# KiCad board CA80.kicad_pcb (continued)
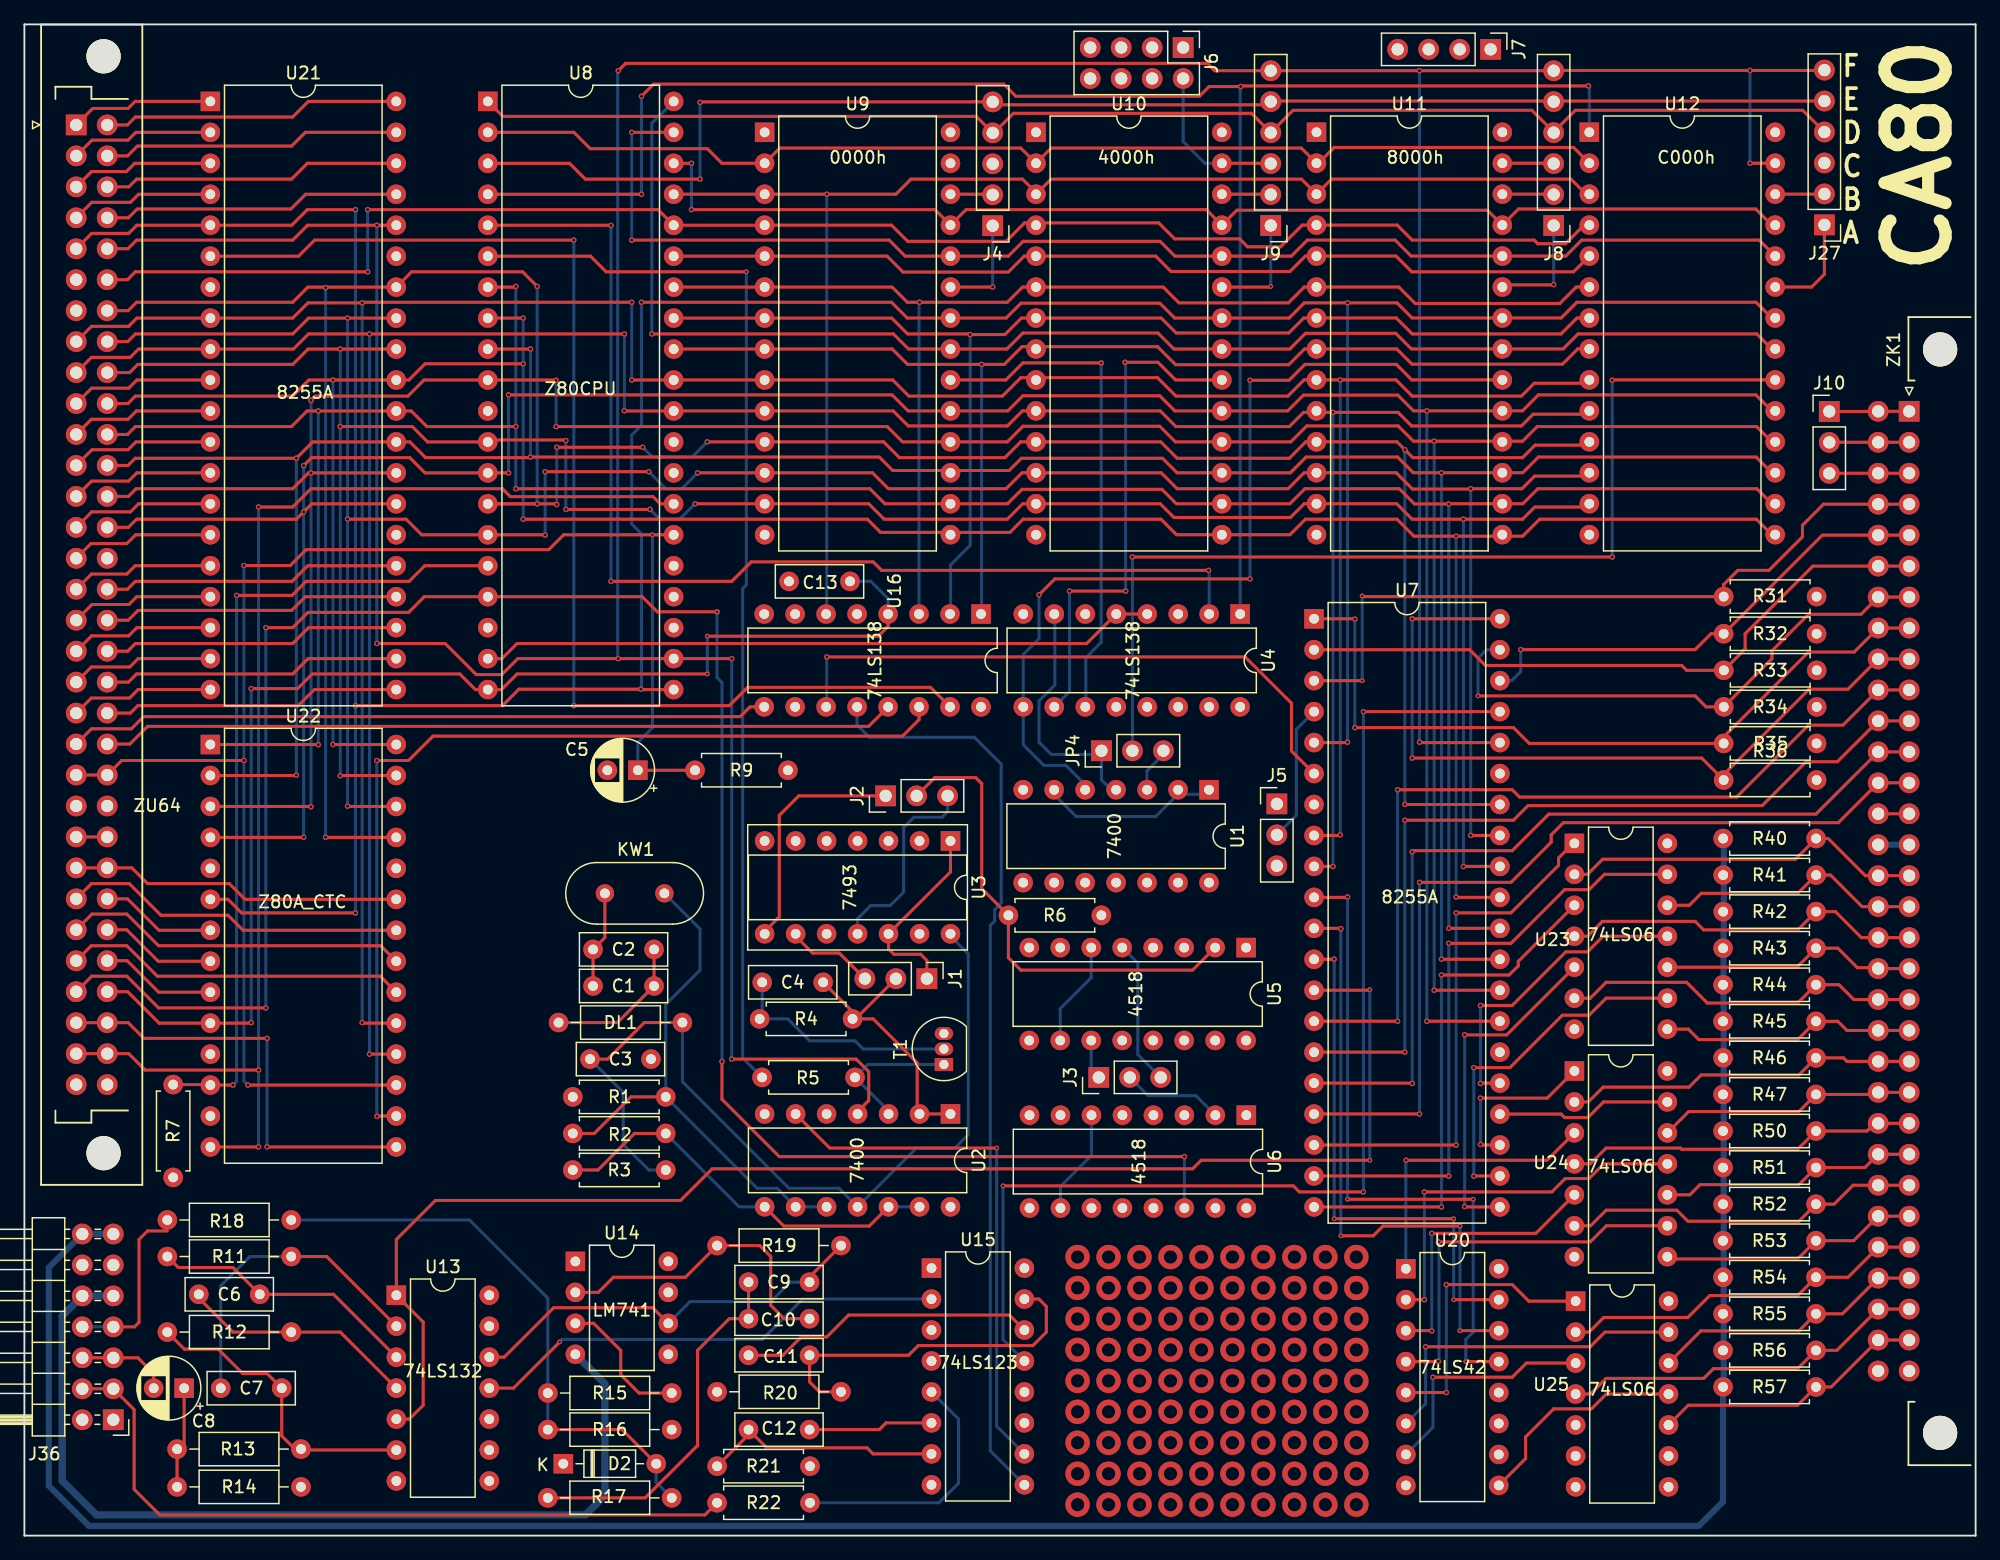
[diagram p0: board, top side]
## Routing (per net, layer and track width the routed paths; a pad name or vN(x,y) marks a point on that pad's centre or on a via; arc(x,y) is an arc through that point) (continued)
Net-(U20-2): length 23.1
  Top w0.25: U20.3 115.38,16.82 v2(115.4,16.8) ; U24.5 123.94,24.8 v2(115.4,24.8)
  Bottom w0.25: v2(115.4,16.8) v2(115.4,24.8)
Net-(U20-3): length 31.8
  Top w0.25: v2(115.95,14.3) 115.93,14.28 U20.4 ; U24.9 129.72,25.43 128.4,24.1 v2(115.95,24.1)
  Bottom w0.25: v2(115.95,14.3) 116,14.35 116,24.05 v2(115.95,24.1)
Net-(U20-4): length 23.3
  Top w0.25: v2(116.6,11.74) U20.5 ; U25.1 123.36,19.24 122,20.6 v2(116.6,20.6)
  Bottom w0.25: v2(116.6,20.6) v2(116.6,11.74)
Net-(U20-5): length 27.4
  Top w0.25: v2(114.9,15.5) 128.4,15.5 129.6,16.7 U25.13
  Bottom w0.25: U20.6 114.9,10.82 v2(114.9,15.5)
Net-(U20-6): length 19.4
  Top w0.25: U25.3 123.16,14.16 122,13 v2(115.5,13)
  Bottom w0.25: v2(115.5,13) 115.5,8.88 U20.7
Net-(U20-7): length 18.1
  Top w0.25: U25.11 129.72,11.62 128.5,10.4 125.4,10.4 123.1,8.1 123.1,6.32 U20.9
Net-(ZK1-14A): length 2.5
  Top w0.25: ZK1.B14 ZK1.A14
Net-(ZK1-16A): length 29.9
  Top w0.25: ZK1.A16 ZK1.B16 150.96,54.15 147.91,57.2 R40.1 145.22,55.5 129.42,55.5 128.18,54.26 U23.2
Net-(ZK1-17A): length 21.9
  Top w0.25: ZK1.A17 ZK1.B17 150.69,51.61 148.1,54.2 R41.1 145.42,52.7 137.5,52.7 136.52,51.72 U23.12
Net-(ZK1-18A): length 30.3
  Top w0.25: U23.4 128.18,49.18 129.4,50.4 137,50.4 137.7,49.7 145.42,49.7 R42.1 148.5,51.2 150.63,49.07 ZK1.B18 ; ZK1.A18 ZK1.B18 ; ZK1.B18 152.01,49.59
Net-(ZK1-19A): length 23.7
  Top w0.25: ZK1.B19 ZK1.A19 ZK1.B19 ; ZK1.B19 151.94,46.6 150.3,46.6 148.7,48.2 R43.1 145.35,46.64 U23.10
Net-(ZK1-20A): length 29.8
  Top w0.25: ZK1.B20 150.01,43.99 148.8,45.2 R44.1 145.41,43.7 138,43.7 136.3,45.4 129.7,45.4 128.4,44.1 U23.6 ; ZK1.A20 152.06,43.99
Net-(ZK1-21A): length 21.1
  Top w0.25: ZK1.A21 149.45,41.45 148.7,42.2 R45.1 145.41,40.7 137.3,40.7 136.44,41.56 U23.8
Net-(ZK1-22A): length 29.1
  Top w0.25: U24.2 128.24,35.59 129.46,36.8 136.5,36.8 137.5,37.8 145.51,37.8 R46.1 149.16,39.2 149.45,38.91 ZK1.A22
Net-(ZK1-23A): length 21.2
  Top w0.25: U24.12 136.47,34.8 145.51,34.8 R47.1 151.84,36.2 ZK1.B23 ZK1.A23
Net-(ZK1-24A): length 28.9
  Top w0.25: ZK1.A24 ZK1.B24 151.73,33.83 151.1,33.2 R50.1 145.41,31.7 135.9,31.7 135.8,31.8 129.7,31.8 128.41,30.5 U24.4
Net-(ZK1-25A): length 21.2
  Top w0.25: U24.10 136.56,27.96 137.4,28.8 145.51,28.8 R51.1 150.92,30.2 ZK1.B25 ZK1.A25
Net-(ZK1-26A): length 29.6
  Top w0.25: ZK1.A26 ZK1.B26 149.95,28.75 148.4,27.2 R52.1 145.51,25.8 136.4,25.8 135.5,26.7 129.7,26.7 128.43,25.43 U24.6
Net-(ZK1-27A): length 21.4
  Top w0.25: ZK1.A27 ZK1.B27 150,24.2 R53.1 145.41,22.7 134.91,22.7 U24.8
Net-(ZK1-28A): length 30.2
  Top w0.25: ZK1.A28 ZK1.B28 149.54,21.2 R54.1 145.41,19.7 138.2,19.7 136.4,17.9 129.5,17.9 128.3,16.7 U25.2
Net-(ZK1-29A): length 22.6
  Top w0.25: U25.12 137.46,16.8 145.51,16.8 R55.1 149.08,18.2 ZK1.B29 ZK1.A29
Net-(ZK1-30A): length 30.7
  Top w0.25: ZK1.B30 148.62,15.2 R56.1 145.41,13.7 138.5,13.7 137.7,12.9 129.7,12.9 128.42,11.62 U25.4 ; ZK1.A30 151.54,18.59
Net-(ZK1-31A): length 22.6
  Top w0.25: ZK1.B31 ZK1.A31 ; ZK1.B31 152,16.05 ; ZK1.B31 148.16,12.2 R57.1 145.41,10.7 136.44,10.7 U25.10
Net-(ZU64-24A): length 2.5
  Top w0.25: ZU64.A24 ZU64.B24

## Copper pours and planes (outline as drawn; the poured copper is in the pictures)
GND on In1.Cu: 0,124 160,124 160,0 0,0.1
VCC on In2.Cu: 0,124 160,124 160,0 0,0

## Text on the board
F.Silkscreen: 0000h | 4000h | 8000h | C000h | F / E / D / C / B / A | CA80
